# Altium PCB pcb_layout.PcbDoc
Units mm, origin at the board's own origin, x right, y up, seen from the top; angles counter-clockwise.
Board outline 158.11 x 85.98 mm, 2 copper layers (Top Layer, Bottom Layer); 13 components, 25 nets, 90 pads, 0 vias.
Unrouted connection lines stored in the file: 5.
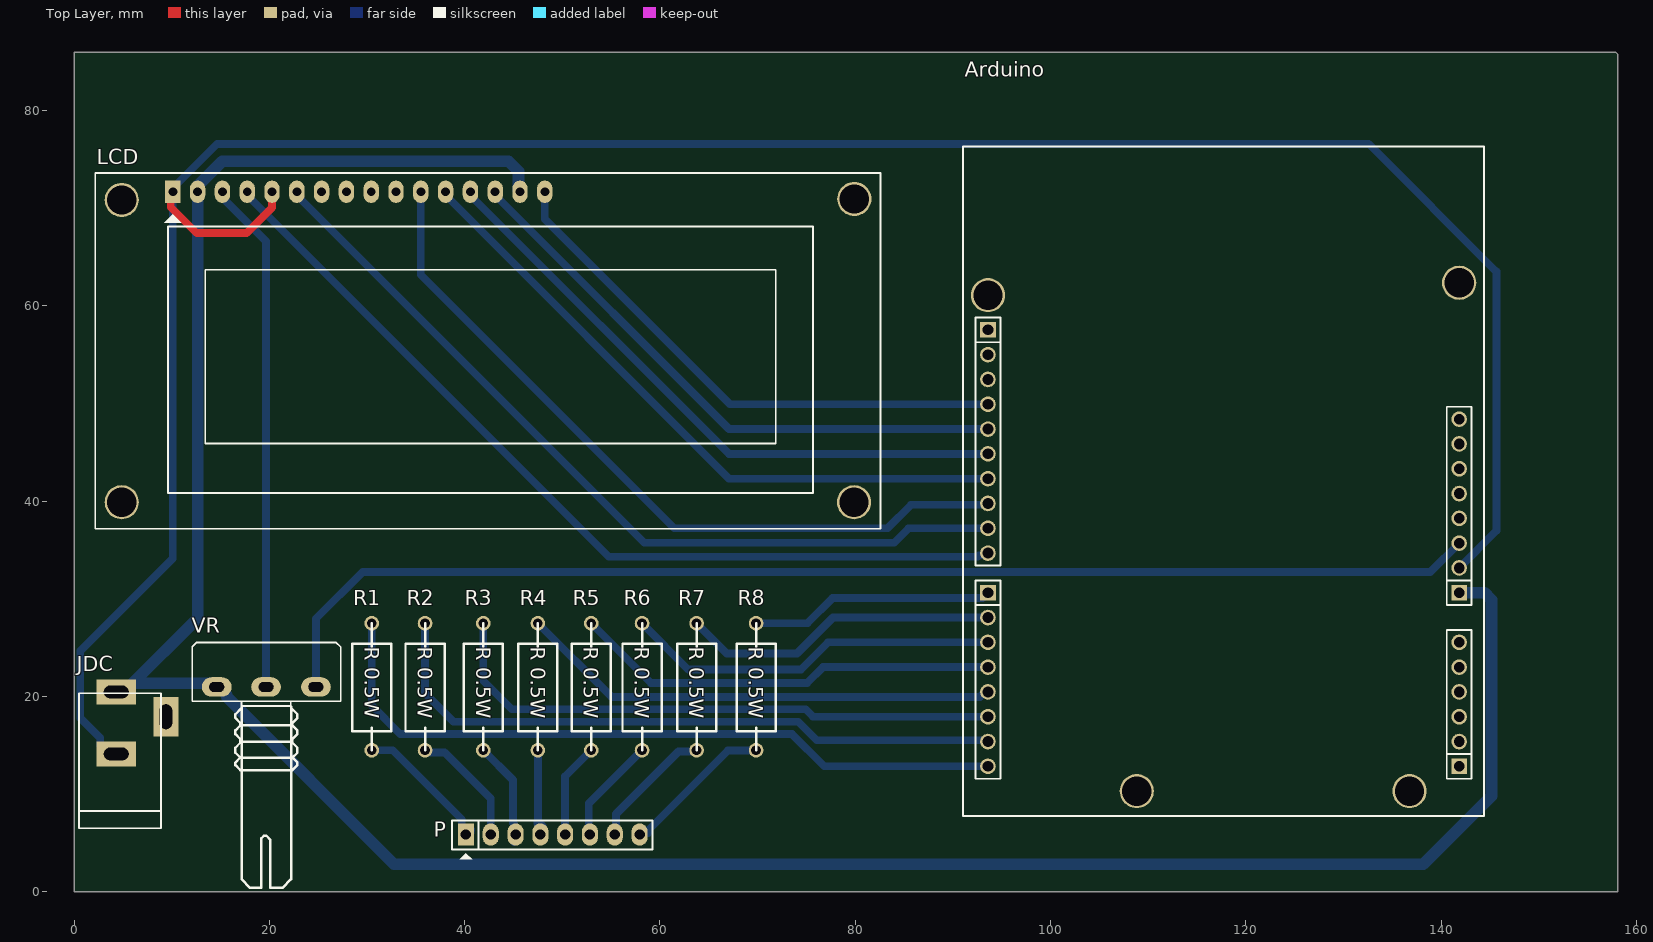
[diagram p0: Top Layer view]
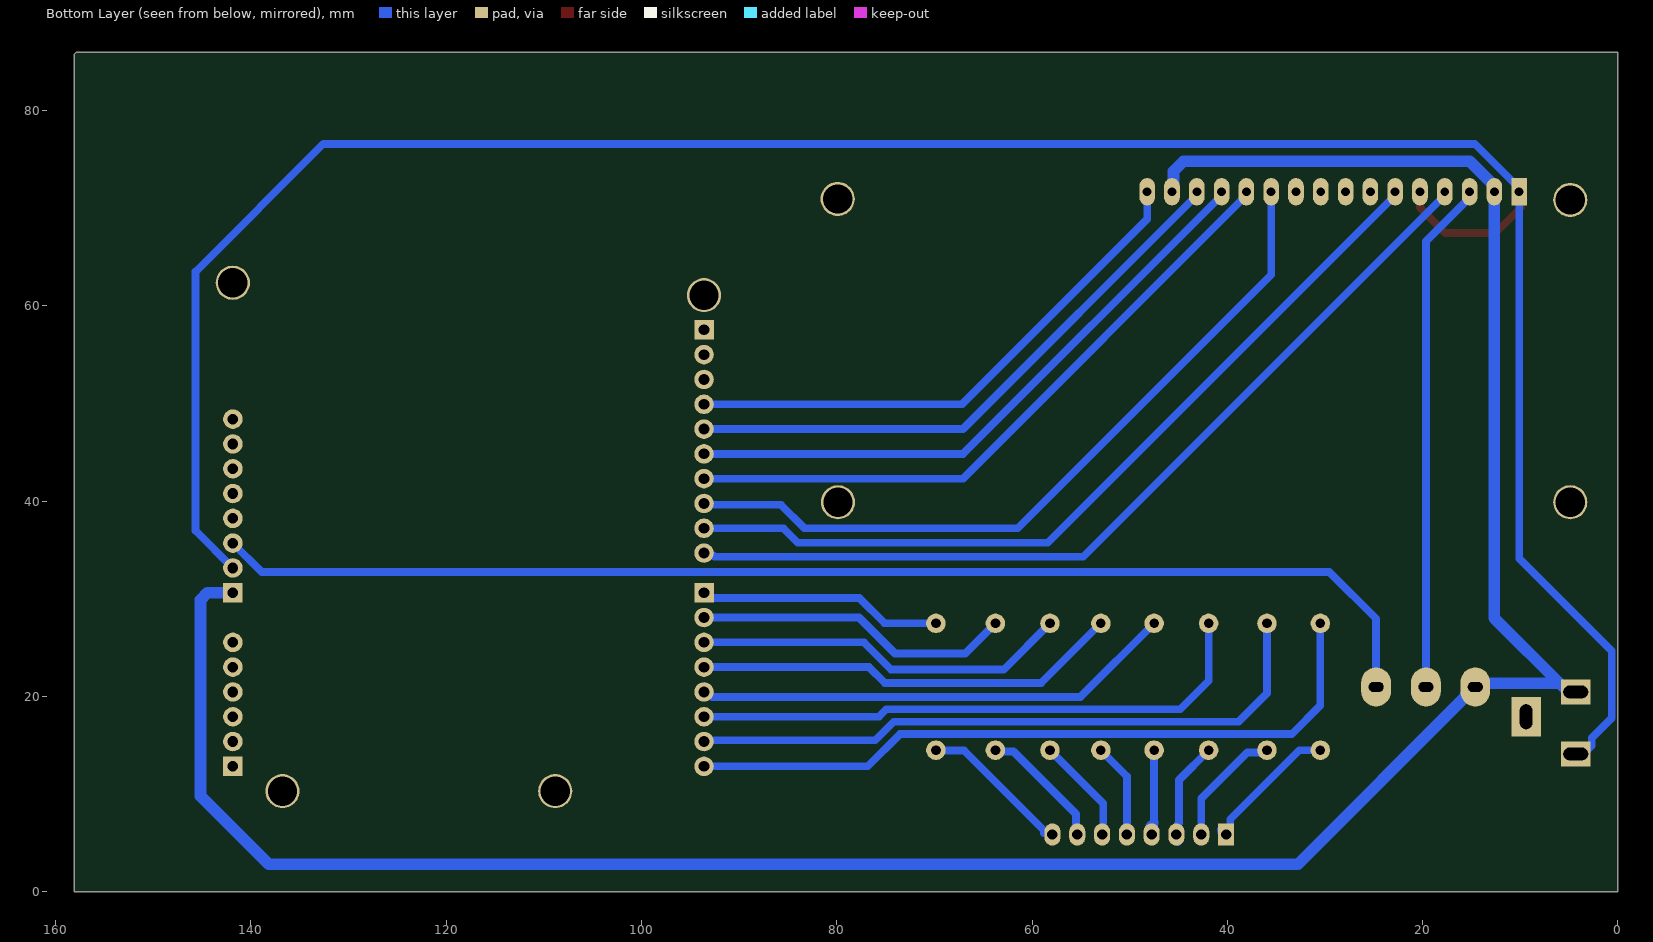
[diagram p1: Bottom Layer view, seen from below]

## Layer stack, top to bottom
Top Solder: solder mask 0.0102, Solder Resist, Dk 3.5
Top Layer: signal copper 0.0356
Dielectric 1: dielectric 0.32, FR-4, Dk 4.8
Bottom Layer: signal copper 0.0356
Bottom Solder: solder mask 0.0102, Solder Resist, Dk 3.5

## Board outline
0,0 158.115,0 158.115,85.725 157.861,85.979 0,85.979

## Design rules (kind name [scope] priority, off if disabled: settings)
Clearance [All] p1: gap=0.254 ignorepadtopadclearanceinfootprint=FALSE except(0: Arc-Hole Track-Hole SMDPad-Hole THPad-Hole Via-Hole Fill-Hole Poly-Hole Region-Hole Text-Hole)
PolygonConnect [All] p1: connectstyle=Relief reliefconductorwidth=0.254 reliefentries=4 polygonreliefangle="90 Angle" airgapwidth=0.254
RoutingVias [All] p1: holewidth=0.711 width=1.27 viastyle="Through Hole" minholewidth=0.711 minwidth=1.27 maxholewidth=0.711 maxwidth=1.27
SolderMaskExpansion [All] p1: expansion=0.102 istentingtop=FALSE
Width [All] p1: maxlimit=0.8 minlimit=0.254 preferedwidth=0.8 toplayer_maxwidth=0.254 toplayer_prefwidth=0.254 bottomlayer_minwidth=0.8 minimp=50.000000 maximp=50.000000 favimp=50.000000
30 further rules are at their usual default settings.

## Components (designator, comment, footprint, x,y, rotation, side; value= is the part's Value field where it differs from the comment)
Arduino "Arduino Uno R3" "Arduino UNO R3" 118.745,42.672 r90 top value="Cau 1A"
JDC "Jack DC" DC-IN 6.858,17.272 r90 top value="Jac DC"
LCD "LCD16x2A" LCD16X2 10.109,71.679 r0 top
P "Header 8" JP8 40.132,5.842 r0 top
R1 "R 0.5W" "R 0.5W" 30.48,27.478 r270 top
R2 "R 0.5W" "R 0.5W" 35.941,27.478 r270 top
R3 "R 0.5W" "R 0.5W" 41.91,27.478 r270 top
R4 "R 0.5W" "R 0.5W" 47.498,27.478 r270 top
R5 "R 0.5W" "R 0.5W" 52.959,27.478 r270 top
R6 "R 0.5W" "R 0.5W" 58.166,27.478 r270 top
R7 "R 0.5W" "R 0.5W" 63.754,27.478 r270 top
R8 "R 0.5W" "R 0.5W" 69.85,27.478 r270 top
VR "50K" VR-S1 19.685,20.955 r0 top value="Volume 50k"

## Footprints (in the part's own frame and the unit in brackets; to place one, negate y for a bottom-side part, rotate by r counter-clockwise, add the part's x,y. Pads: shape width x height; smd on the part's side, far side on the other; paste and mask are expansions set on the pad)
"Arduino UNO R3" [mm]
  round 1.6 / inner round 1.6 / far side round 2 hole 1.1: 0-RX(-29.845,25.146) 1-TX(-27.305,25.146) 2(-24.765,25.146) 3V3(-1.905,-23.114) 4(-19.685,25.146) 5V(-4.445,-23.114) 8(-8.001,25.146) 12(2.159,25.146) 13(4.699,25.146) A0(-17.145,-23.114) A1(-19.685,-23.114) A2(-22.225,-23.114) A3(-24.765,-23.114) A4(-27.305,-23.114) AREF(9.779,25.146) GND(-9.525,-23.114) GND(-6.985,-23.114) GND(7.239,25.146) IOREF(3.175,-23.114) NC(5.715,-23.114) RESET(0.635,-23.114) SDA(12.319,25.146) ~3(-22.225,25.146) ~5(-17.145,25.146) ~6(-14.605,25.146) ~9(-5.461,25.146) ~10(-2.921,25.146) ~11(-0.381,25.146)
  rect 1.6x1.6 / inner rect 1.6x1.6 / far side rect 2x2 hole 1.1: 7(-12.065,25.146) A5(-29.845,-23.114) SCL(14.859,25.146) Vin(-12.065,-23.114)
  round 3.5 hole 3: GND(-32.385,9.906) GND(18.415,25.146) GND(19.685,-23.114) ""(-32.385,-18.034)
  oval 0x2 all layers, no hole: ""(-32.385,-18.034)
  round 0 all layers, no hole: ""(-32.385,9.906) ""(18.415,25.146) ""(19.685,-23.114)
  silkscreen extent -34.92,-25.65 33.66,27.69, body extent -34.93,-25.65 40,27.69, height 15.28
DC-IN [mil]
  rect 100x160 / inner rect 100x160 / far side rect 100x118.11 hole 50 slot 100 at 90 deg: 1(125,100) 2(-125,100)
  rect 160x100 / inner rect 160x100 / far side rect 160x118.11 hole 50 slot 100 at 0 deg: 3(25,-100)
  silkscreen extent -425,-80 120,250, body extent -410,-105 134,269, height 434
JP8 [mil]
  rect 65x90 hole 42: 1(0,0)
  oval 65x90 hole 42: 2(100,0) 3(200,0) 4(300,0) 5(400,0) 6(500,0) 7(600,0) 8(700,0)
  silkscreen extent -56,-100 752,57, body extent -48,-50 748,48, height 323
LCD16X2 [mil] "LCD dipslay 16x2, 16 pin"
  rect 62x90 / inner rect 62x90 / far side rect 62.99x110.24 hole 36: 1(0,0)
  oval 62x90 / inner oval 62x90 / far side oval 62.99x110.24 hole 36: 2(100,0) 3(200,0) 4(300,0) 5(400,0) 6(500,0) 7(600,0) 8(700,0) 9(800,0) 10(900,0) 11(1000,0) 12(1100,0) 13(1200,0) 14(1300,0) 15(1400,0) 16(1500,0)
  round 137.8 hole 118.11: "Hole 0"(-206,-1252) "Hole 0"(-206,-33) "Hole 0"(2747,-1252) "Hole 0"(2748,-29)
  silkscreen extent -313,-1359 2854,76, body extent -315,-1360 2855,77, height 729
"R 0.5W" [mm]
  round 1.5 / inner round 1.5 / far side round 2 hole 1: 1(0,0) 2(13,0)
  silkscreen extent 0,-2 13,2, body extent 1.21,-1.18 11.97,1.13, height 2.93
VR-S1 [mil]
  oval 120x78.74 / inner oval 120x78.74 / far side oval 120x157.48 hole 40 slot 60 at 0 deg: 1(-200,0) 2(-1,0) 3(200,0)
  silkscreen extent -299,-810 300,179, body extent -310,-818 310,188, height 839

## Part data
Arduino: "Arduino UNO R3"
JDC: "Jack DC input"
LCD: library part LCD16x2, "LCD dipslay 16 char, 2 line"
P: "Header, 8-Pin", LatestRevisionDate=17-Jul-2002, LatestRevisionNote="Re-released for DXP Platform.", Publisher="Altium Limited"
VR: library part VR-S, "Var Resistor"

## Nets (pads, with @x,y where several pads share a name; then routed paths per layer and width w, separated by ;. In a path a pad name is that pad's centre, name@x,y a point inside that pad or via, vN(x,y) a via of type N, cw(c..) or ccw(c..) an arc to the next point about the centre after c; other vN are vias at no path point)
5V: Arduino.Vin JDC.1 LCD.2 LCD.15 VR.1 | length 265.8
  Bottom Layer w1.2: JDC.1 4.826,20.955 5.588,20.955 12.649,28.016 LCD.2 12.649,72.279 15.173,74.803 44.489,74.803 45.516,73.776 45.516,71.832 LCD.15 ; 5.969,21.336 14.224,21.336 VR.1 14.804,20.955 15.623,20.137 15.623,19.937 32.766,2.794 36.53,2.794 138.176,2.794 145.161,9.779 145.161,29.904 144.458,30.607 Arduino.Vin
D0: Arduino.0-RX R1.1 | length 74.1
  Bottom Layer w0.8: R1.1 30.48,19.05 33.401,16.129 35.253,16.129 35.256,16.132 70.535,16.132 70.538,16.129 73.533,16.129 76.835,12.827 Arduino.0-RX
D1: Arduino.1-TX R2.1 | length 66.9
  Bottom Layer w0.8: R2.1 35.941,20.32 38.862,17.399 74.168,17.399 76.073,15.494 93.472,15.494 Arduino.1-TX
D2: Arduino.2 R3.1 | length 59.1
  Bottom Layer w0.8: R3.1 41.91,21.59 44.831,18.669 74.93,18.669 75.692,17.907 Arduino.2
D3: Arduino.~3 R4.1 | length 49.4
  Bottom Layer w0.8: R4.1 55.037,19.939 92.766,19.939 93.274,20.447 Arduino.~3
D4: Arduino.4 R5.1 | length 43.8
  Bottom Layer w0.8: R5.1 59.063,21.374 75.095,21.374 76.708,22.987 Arduino.4
D5: Arduino.~5 R6.1 | length 38.6
  Bottom Layer w0.8: R6.1 62.911,22.733 74.435,22.733 77.229,25.527 Arduino.~5
D6: Arduino.~6 R7.1 | length 32.7
  Bottom Layer w0.8: R7.1 66.848,24.384 74.041,24.384 77.724,28.067 Arduino.~6
D7: Arduino.7 R8.1 | length 25
  Bottom Layer w0.8: R8.1 75.103,27.478 77.686,30.061 93.053,30.061 Arduino.7
D8: Arduino.8 LCD.4 | length 91.7
  Bottom Layer w0.8: LCD.4 17.729,71.323 54.762,34.29 92.53,34.29 92.682,34.441 93.369,34.441 Arduino.8
D9: Arduino.~9 LCD.6 | length 86.5
  Bottom Layer w0.8: LCD.6 22.809,71.323 58.407,35.725 83.985,35.725 85.471,37.211 Arduino.~9
D10: Arduino.~10 LCD.11 | length 78.4
  Bottom Layer w0.8: LCD.11 35.509,63.17 61.468,37.211 83.312,37.211 85.725,39.624 93.472,39.624 Arduino.~10
D11: Arduino.~11 LCD.12 | length 67.9
  Bottom Layer w0.8: LCD.12 38.049,71.323 67.081,42.291 Arduino.~11
D12: Arduino.12 LCD.13 | length 64.3
  Bottom Layer w0.8: LCD.13 40.589,71.323 67.081,44.831 Arduino.12
D13: Arduino.13 LCD.14 | length 60.7
  Bottom Layer w0.8: LCD.14 43.129,71.323 67.081,47.371 Arduino.13
GND: Arduino.GND JDC.2 LCD.1 LCD.5 LCD.16 VR.3 | length 437.8
  Top Layer w0.8: LCD.1 9.906,71.476 9.906,70.104 12.573,67.437 17.653,67.437 20.269,70.053 LCD.5
  Bottom Layer w0.8: JDC.2 3.556,14.097 2.686,14.967 2.686,15.729 0.635,17.78 0.635,24.638 10.109,34.112 LCD.1 10.109,72.034 14.656,76.581 132.588,76.581 145.669,63.5 145.669,36.957 Arduino.GND@141.859,33.147 ; VR.3 24.765,27.94 29.553,32.728 138.9,32.728 Arduino.GND@141.859,35.687 ; LCD.16 48.209,68.885 67.183,49.911 Arduino.GND@93.599,49.911
NetLCD_3: LCD.3 VR.2 | length 52.6
  Bottom Layer w0.8: LCD.3 15.189,71.079 19.66,66.608 VR.2
NetP_1: P.1 R1.2 | length 14.8
  Bottom Layer w0.8: R1.2 32.639,14.478 39.707,7.41 39.707,6.267 P.1 40.558,5.842 P.1@40.64,6.35
NetP_2: P.2 R2.2 | length 12.5
  Bottom Layer w0.8: R2.2 36.171,14.248 37.949,14.248 42.672,9.525 P.2
NetP_3: P.3 R3.2 | length 10.7
  Bottom Layer w0.8: R3.2 44.958,11.43 44.958,7.015 45.049,6.924 P.3@45.049,5.079
NetP_4: P.4 R4.2 | length 10.2
  Bottom Layer w0.8: 47.447,7.111 47.498,6.731 47.79,6.352 47.79,6.339 47.752,6.159 P.4@47.879,6.35 ; R4.2 47.498,7.181 P.4@47.967,6.712 ; P.4 47.79,5.88 47.79,6.105 47.752,6.105 P.4@47.974,6.722
NetP_5: P.5 R5.2 | length 9.6
  Bottom Layer w0.8: P.5@50.292,5.961 50.292,11.811 R5.2
NetP_6: P.6 R6.2 | length 10.8
  Bottom Layer w0.8: P.6@52.705,5.988 52.705,9.017 R6.2
NetP_7: P.7 R7.2 | length 13.1
  Bottom Layer w0.8: P.7 55.499,5.969 55.499,7.939 61.904,14.344 63.62,14.344 R7.2
NetP_8: P.8 R8.2 | length 14.8
  Bottom Layer w0.8: 58.801,5.969 58.801,6.286 66.954,14.44 69.812,14.44 R8.2
pads on no net: "LCD.Hole 0" Arduino. Arduino.3V3 Arduino.5V Arduino.A0 Arduino.A1 Arduino.A2 Arduino.A3 Arduino.A4 Arduino.A5 Arduino.AREF Arduino.IOREF Arduino.NC Arduino.RESET Arduino.SCL Arduino.SDA JDC.3 LCD.7 LCD.8 LCD.9 LCD.10